# Allegro board reComputer J202_V1.0.brd
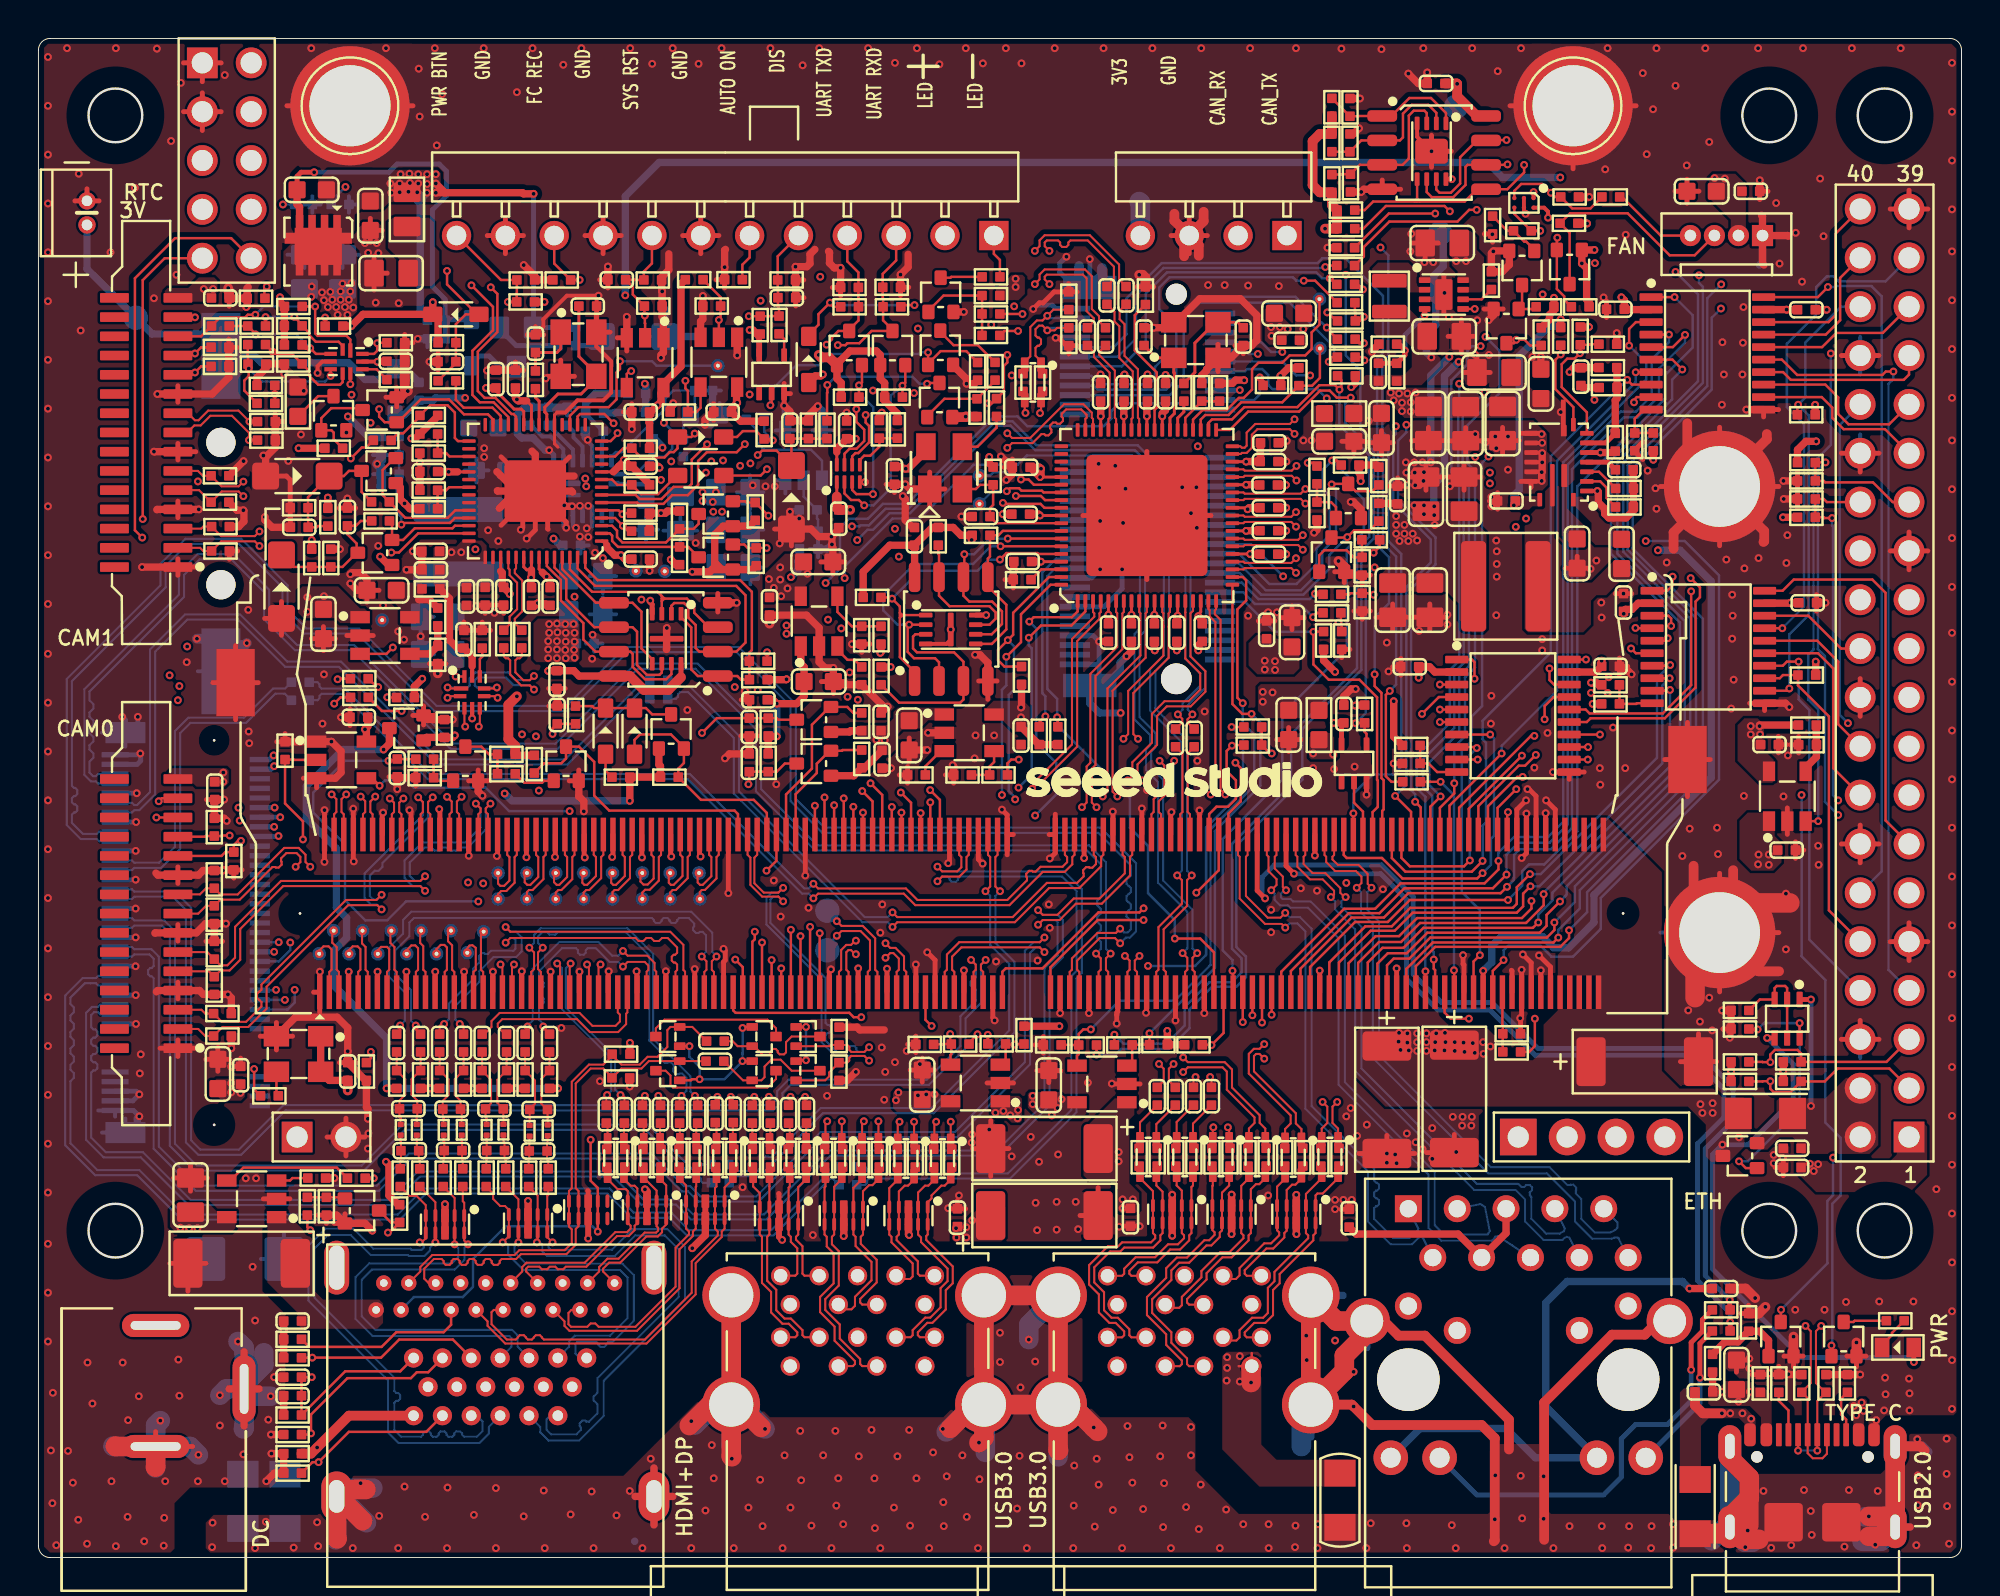
[diagram p0: board, top side]
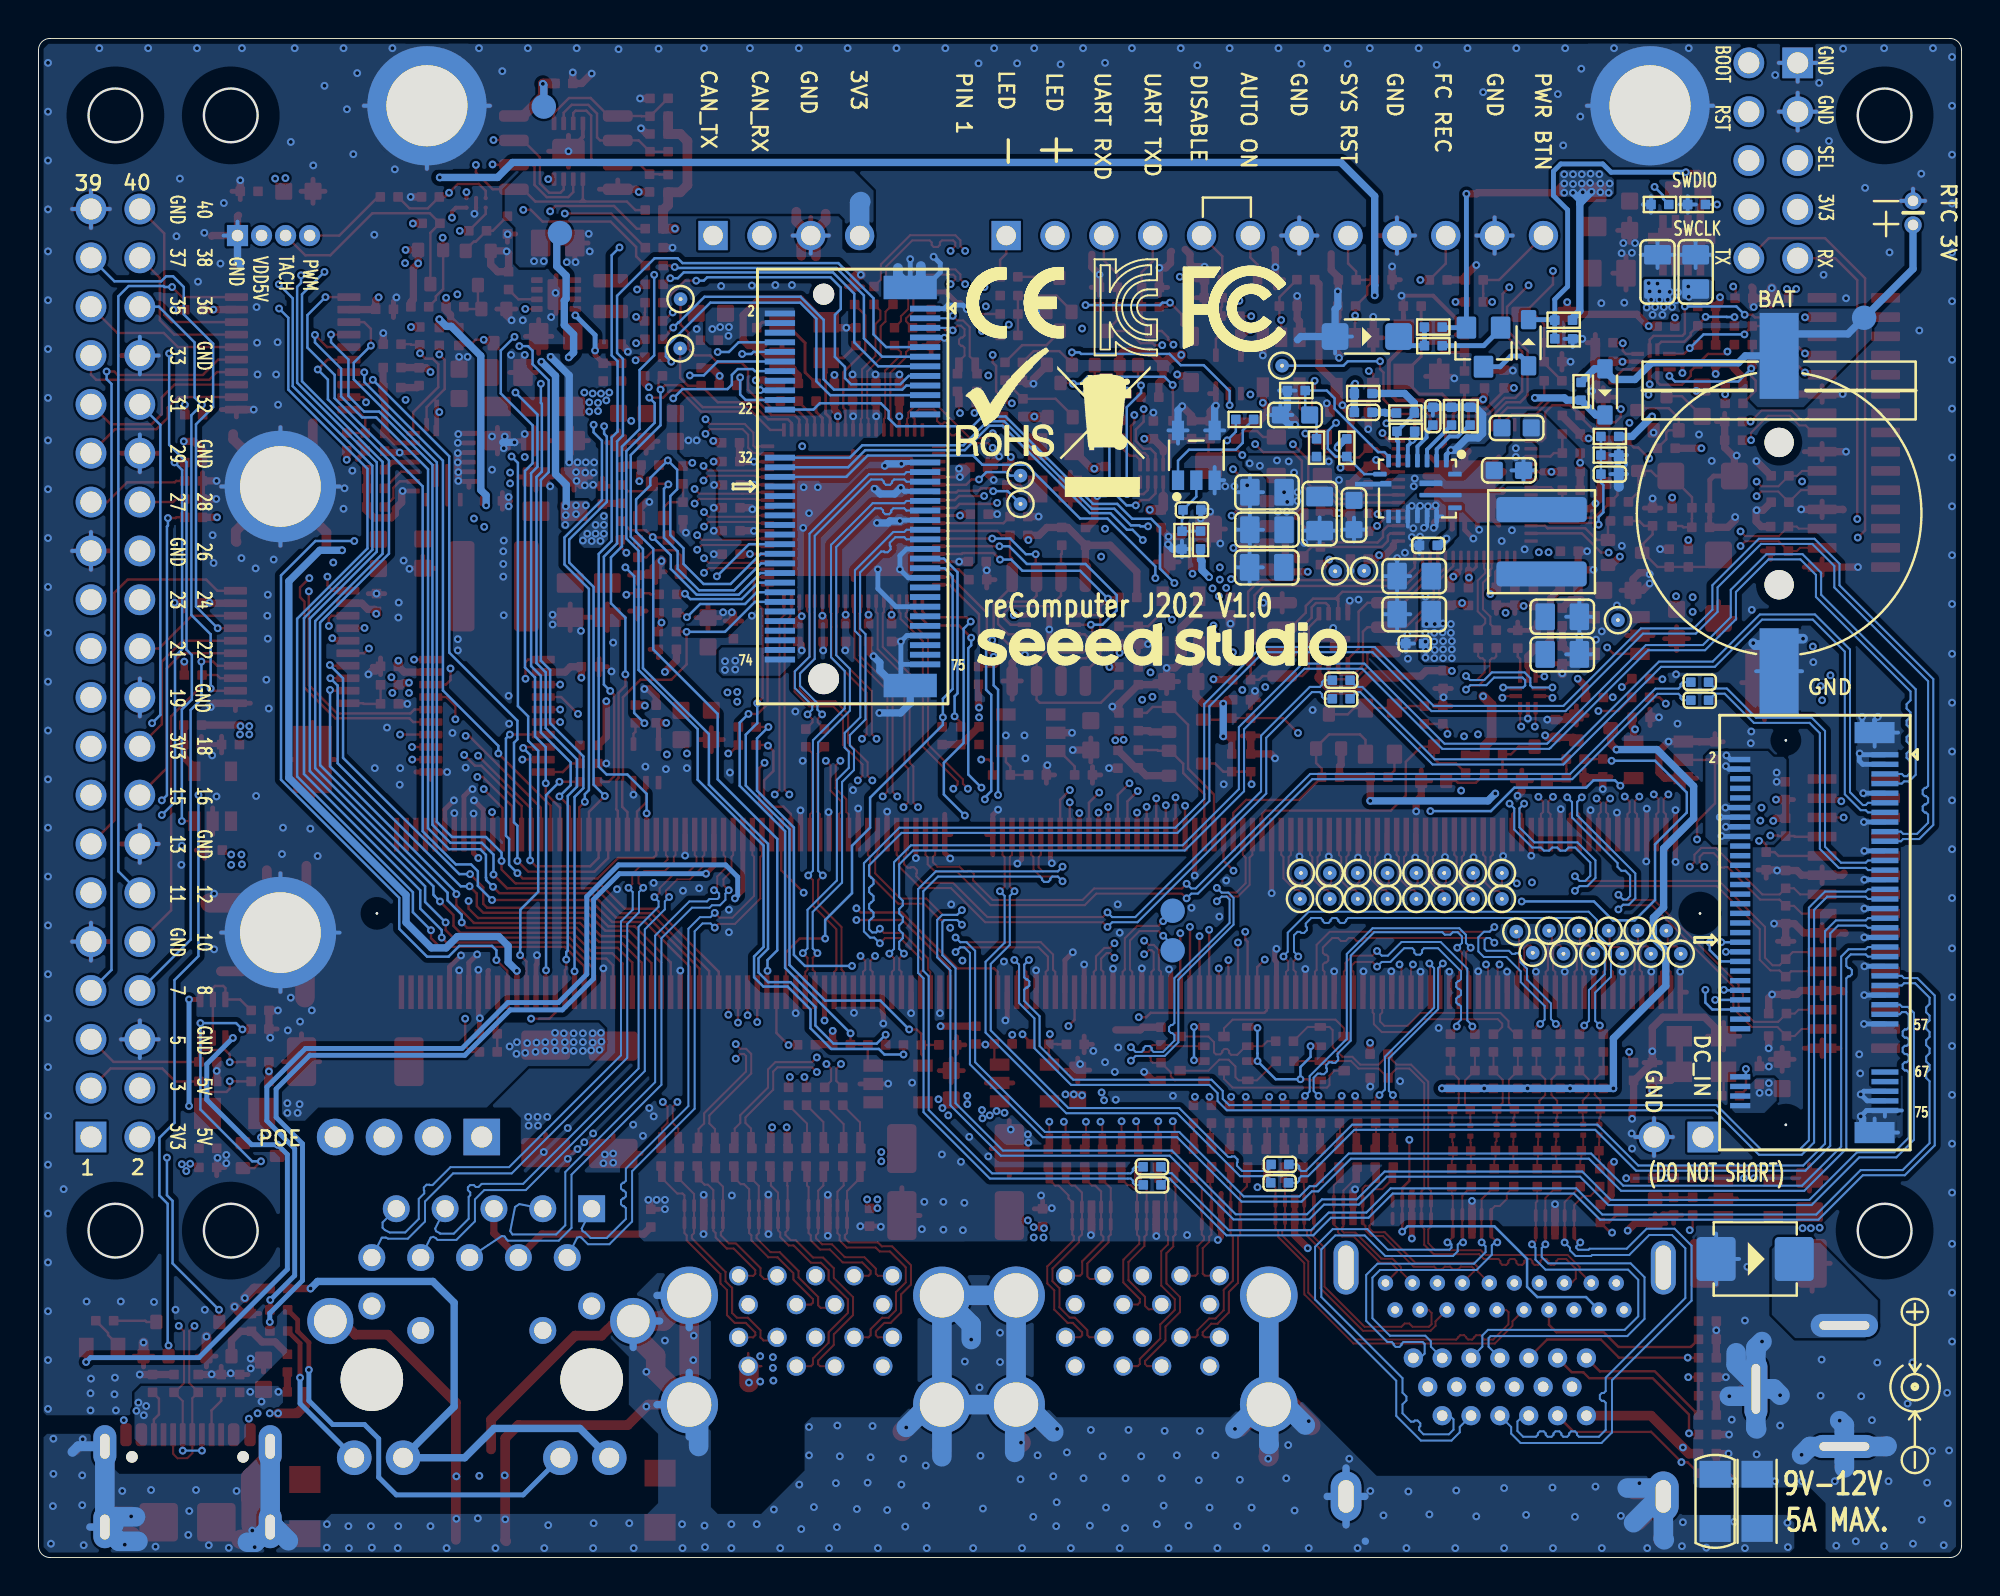
[diagram p1: board, bottom side, seen from below]

Outline 100 x 79 mm; copper layers: TOP, GND02, LAY3, LAY4, PWR05, BOTTOM. Coordinates in mm from the lower left corner of the outline.
Outline path: circle c4,75 r1.4 ; circle c4,17 r1.4 ; circle c90,75 r1.4 ; circle c90,17 r1.4 ; circle c96,75 r1.4 ; circle c96,17 r1.4 ; 0,78.4 0,0.6 arc(0.18,0.18) 0.6,0 99.4,0 arc(99.82,0.18) 100,0.6 100,78.4 arc(99.82,78.82) 99.4,79 0.6,79 arc(0.18,78.82) 0,78.4

## Design rules (mm)
constraint set DEFAULT: min track width 0.127
net group ADC0: nets ADC0 MCU_ADC0
net group CSI0_CLK_P: nets CSI0_CLK_N CSI0_CLK_P
net group CSI0_D0_P: nets CSI0_D0_N CSI0_D0_P
net group CSI0_D1_P: nets CSI0_D1_N CSI0_D1_P
net group CSI1_CLK_P: nets CSI1_CLK_N CSI1_CLK_P
net group CSI1_D0_P: nets CSI1_D0_N CSI1_D0_P
net group CSI2_D1_P: nets CSI2_D1_N CSI2_D1_P
net group CSI3_CLK_P: nets CSI3_CLK_N CSI3_CLK_P
net group CSI3_D0_P: nets CSI3_D0_N CSI3_D0_P
net group CSI3_D1_P: nets CSI3_D1_N CSI3_D1_P
net group DP0_AUX_P: nets DP0_AUX_N DP0_AUX_P
net group DP0_AUX_Q_P: nets DP0_AUX_Q_N DP0_AUX_Q_P
net group DP0_AUX_R_P: nets DP0_AUX_R_N DP0_AUX_R_P
net group DP0_TXD0_P: nets DP0_TXD0_N DP0_TXD0_P
net group DP0_TXD1_P: nets DP0_TXD1_N DP0_TXD1_P
net group DP0_TXD2_P: nets DP0_TXD2_N DP0_TXD2_P
net group DP_CON_AUXP: nets DP_CON_AUXN DP_CON_AUXP
net group DP_CON_LANE0_P: nets DP_CON_LANE0_N DP_CON_LANE0_P
net group DP_CON_LANE2_P: nets DP_CON_LANE2_N DP_CON_LANE2_P
net group DP_CON_LANE3_P: nets DP_CON_LANE3_N DP_CON_LANE3_P
net group DP_LANE0_P: nets DP_LANE0_N DP_LANE0_P
net group DP_LANE1_P: nets DP_LANE1_N DP_LANE1_P
net group DP_LANE2_P: nets DP_LANE2_N DP_LANE2_P
net group DP_LANE3_P: nets DP_LANE3_N DP_LANE3_P
net group GBE_LED_ACT: nets GBE_LED_ACT YELLOW_LED
net group GBE_LED_LINK: nets GBE_LED_LINK GREEN_LED
net group GBE_MDI0_P: nets GBE_MDI0_N GBE_MDI0_P
net group HDMI_TXC_CON_LC_P: nets HDMI_TXC_CON_LC_N HDMI_TXC_CON_LC_P
net group HDMI_TXC_CON_R_P: nets HDMI_TXC_CON_R_N HDMI_TXC_CON_R_P
net group HDMI_TXD0_CON_LC_P: nets HDMI_TXD0_CON_LC_N HDMI_TXD0_CON_LC_P
net group HDMI_TXD0_CON_P: nets HDMI_TXD0_CON_N HDMI_TXD0_CON_P
net group HDMI_TXD0_CON_R_P: nets HDMI_TXD0_CON_R_N HDMI_TXD0_CON_R_P
net group HDMI_TXD1_CON_LC_P: nets HDMI_TXD1_CON_LC_N HDMI_TXD1_CON_LC_P
net group HDMI_TXD1_CON_R_P: nets HDMI_TXD1_CON_R_N HDMI_TXD1_CON_R_P
net group HDMI_TXD1_P: nets HDMI_TX1_N HDMI_TX1_P
net group HDMI_TXD2_CON_LC_P: nets HDMI_TXD2_CON_LC_N HDMI_TXD2_CON_LC_P
net group HDMI_TXD2_CON_P: nets HDMI_TXD2_CON_N HDMI_TXD2_CON_P
net group HDMI_TXD2_CON_R_P: nets HDMI_TXD2_CON_R_N HDMI_TXD2_CON_R_P
net group HDMI_TXD2_P: nets HDMI_TX2_N HDMI_TX2_P
net group HUB_HSD2_P: nets HUB_HSD2_N HUB_HSD2_P
net group HUB_HSD3_P: nets HUB_HSD3_N HUB_HSD3_P
net group HUB_HSD4_P: nets HUB_HSD4_N HUB_HSD4_P
net group HUB_SSRX1_P: nets HUB_SSRX1_N HUB_SSRX1_P
net group HUB_SSRX2_P: nets HUB_SSRX2_N HUB_SSRX2_P
net group HUB_SSRX3_P: nets HUB_SSRX3_N HUB_SSRX3_P
net group HUB_SSRX4_P: nets HUB_SSRX4_N HUB_SSRX4_P
net group HUB_SSTX1_C_P: nets HUB_SSTX1_C_N HUB_SSTX1_C_P
net group HUB_SSTX1_P: nets HUB_SSTX1_N HUB_SSTX1_P
net group HUB_SSTX2_C_P: nets HUB_SSTX2_C_N HUB_SSTX2_C_P
net group HUB_SSTX2_P: nets HUB_SSTX2_N HUB_SSTX2_P
net group HUB_SSTX3_C_P: nets HUB_SSTX3_C_N HUB_SSTX3_C_P
net group HUB_SSTX4_C_P: nets HUB_SSTX4_C_N HUB_SSTX4_C_P
net group HUB_SSTX4_P: nets HUB_SSTX4_N HUB_SSTX4_P
net group HUB_USB4_DP_1: nets USB_DM USB_DP
net group M2_USB2_AP_P: nets M2_USB2_AP_N M2_USB2_AP_P
net group MCU_USB_DP: nets MCU_USB_DN MCU_USB_DP
net group N25927437: nets N25927437 N25927478
net group PC_LED-: nets N25946676 PC_LED-
net group PCIE0_RX0_M2_P: nets PCIE0_RX0_N PCIE0_RX0_P
net group PCIE0_TX0_P: nets PCIE0_TX0_N PCIE0_TX0_P
net group PCIE0_TX1_M2_P: nets PCIE0_TX1_M2_N PCIE0_TX1_M2_P
net group PCIE0_TX2_M2_P: nets PCIE0_TX2_M2_N PCIE0_TX2_M2_P
net group PCIE0_TX3_M2_P: nets PCIE0_TX3_M2_N PCIE0_TX3_M2_P
net group PCIE1_RX0_P: nets PCIE1_RX0_N PCIE1_RX0_P
net group PCIE1_TX0_P: nets PCIE1_TX0_N PCIE1_TX0_P
net group RP2040_XOUT: nets N26055734 RP2040_XOUT
net group TYPE C_USB_DP: nets TYPE C_USB_DN TYPE C_USB_DP
net group USB0_AP_P: nets USB0_AP_N USB0_AP_P
net group USB1_A_P: nets USB1_A_N USB1_A_P
net group USB1_B_P: nets USB1_B_N USB1_B_P
net group USB2_AP_P: nets USB2_AP_N USB2_AP_P
net group USBSS_RX_A_CON1_P: nets USBSS_RX_A_CON1_N USBSS_RX_A_CON1_P
net group USBSS_RX_A_CON2_P: nets USBSS_RX_A_CON2_N USBSS_RX_A_CON2_P
net group USBSS_RX_B_CON1_P: nets USBSS_RX_B_CON1_N USBSS_RX_B_CON1_P
net group USBSS_RX_B_CON2_P: nets USBSS_RX_B_CON2_N USBSS_RX_B_CON2_P
net group USBSS_RX_HUB_P: nets USBSS_RX_HUB_N USBSS_RX_HUB_P
net group USBSS_TX_A_CON1_P: nets USBSS_TX_A_CON1_N USBSS_TX_A_CON1_P
net group USBSS_TX_A_CON2_P: nets USBSS_TX_A_CON2_N USBSS_TX_A_CON2_P
net group USBSS_TX_B_CON1_P: nets USBSS_TX_B_CON1_N USBSS_TX_B_CON1_P
net group USBSS_TX_B_CON2_P: nets USBSS_TX_B_CON2_N USBSS_TX_B_CON2_P
net group USBSS_TX_HUB_P: nets USBSS_TX_HUB_N USBSS_TX_HUB_P
net group BBAT: nets BBAT
net group HDMI_CEC_Q: nets HDMI_CEC_Q
net group N25912244: nets N25912244
net group UART2_RXD_LS: nets N25979746 UART2_RXD_LS UART2_TXD_LS
nets with their own width: min track width 0.152; nets VDD_3V3_SYS VDD_5V_SYS

## Placement (name value [footprint] x y rotation side)
C1  1nF  [C1206]  67.68 2.98 270 top
C2  100pF  [C0402]  13.22 8.41 180 top
C3  100nF  [C0402]  86.6 8.61 180 top
C4  12pF  [C0402]  13.22 9.38 180 top
C5  4.7uF  [C0603]  88.3 9.5 90 top
C6  100nF  [C0402]  13.22 12.3 180 top
C7  100nF  [C0402]  87.5 13.99 0 top
C8  330uF  [AVX_C]  10.56 15.3 180 top
C9  10nF  [C0402]  68.16 17.65 90 top
C10  100nF  [C0402]  47.79 17.67 90 top
C11  100nF  [C0402]  56.78 17.7 270 top
C12  330uF  [AVX_C]  52.31 17.79 0 top
C13  22uF  [C0805]  7.91 18.85 90 top
C14  100nF  [C0402]  91.19 20.29 180 top
C15  0.7pF  [C0402]  25.98 21.14 0 top
C16  0.7pF  [C0402]  19.31 21.16 0 top
C17  0.7pF  [C0402]  21.56 21.16 180 top
C18  0.7pF  [C0402]  23.77 21.17 180 top
C19  330uF  [AVX_C]  52.31 21.27 180 top
C20  100nF  [C0402]  91.19 21.28 180 top
C21  100nF  [C0402]  29.53 23.06 270 top
C22  100nF  [C0402]  30.47 23.06 270 top
C23  100nF  [C0402]  31.41 23.06 270 top
C24  100nF  [C0402]  32.35 23.06 270 top
C25  100nF  [C0402]  33.34 23.06 270 top
C26  100nF  [C0402]  34.28 23.06 270 top
C27  100nF  [C0402]  37.12 23.06 270 top
C28  100nF  [C0402]  38.06 23.06 270 top
C29  100nF  [C0402]  39.01 23.06 270 top
C30  100nF  [C0402]  39.94 23.06 270 top
C31  100nF  [C0402]  35.19 23.08 270 top
C32  100nF  [C0402]  36.13 23.08 270 top
C33  0.7pF  [C0402]  26.01 23.3 0 top
C34  0.7pF  [C0402]  21.49 23.32 180 top
C35  0.7pF  [C0402]  23.71 23.33 180 top
C36  0.7pF  [C0402]  19.24 23.34 0 top
C37  330uF  [AVX_C]  70.12 23.81 270 top
C38  330uF  [AVX_C]  73.62 23.85 270 top
C39  100nF  [C0402]  58.18 23.99 270 top
C40  100nF  [C0402]  59.12 23.99 270 top
C41  100nF  [C0402]  60.06 23.99 270 top
C42  100nF  [C0402]  61 23.99 270 top
C43  4.7uF  [C0603]  52.54 24.56 90 top
C44  4.7uF  [C0603]  45.96 24.59 90 top
C45  100nF  [C0402]  10.52 25.08 90 top
C46  10uF  [C0603]  9.33 25.15 90 top
C47  100nF  [C0402]  16.08 25.28 90 top
C48  330uF  [AVX_C]  83.53 25.79 0 top
C49  100nF  [C0402]  35.18 25.81 180 top
C50  100nF  [C0402]  18.63 26.76 270 top
C51  100nF  [C0402]  19.87 26.76 270 top
C52  100nF  [C0402]  20.86 26.76 270 top
C53  100nF  [C0402]  22.11 26.76 270 top
C54  100nF  [C0402]  23.07 26.76 270 top
C55  100nF  [C0402]  24.34 26.76 270 top
C56  100nF  [C0402]  25.31 26.76 270 top
C57  100nF  [C0402]  26.58 26.76 270 top
C58  100nF  [C0402]  35.2 26.85 180 top
C59  1uF  [C0402]  90.9 36.79 0 top
C60  100nF  [C0402]  9.17 39.88 270 top
C61  12pF  [C0402]  18.66 41.07 270 top
C62  4.7pF  [C0402]  36.96 41.33 90 top
C63  100nF  [C0402]  43.87 41.52 270 top
C64  1uF  [C0402]  90.01 42.28 0 top
C65  100nF  [C0402]  59.13 42.62 270 top
C66  100nF  [C0402]  60.1 42.62 270 top
C67  100nF  [C0402]  51.1 42.74 270 top
C68  4.7uF  [C0603]  45.28 42.76 270 top
C69  4.7pF  [C0402]  36.96 43.19 270 top
C70  10uF  [C0603]  65.01 43.3 270 top
C71  100nF  [C0402]  43.81 43.46 90 top
C72  100nF  [C0402]  16.66 43.7 180 top
C73  12pF  [C0402]  26.97 43.82 90 top
C74  100nF  [C0402]  67.88 43.87 270 top
C75  100nF  [C0402]  37.44 44.61 180 top
C76  10uF  [C0603]  40.57 45.55 0 top
C77  100nF  [C0402]  71.31 46.32 0 top
C78  100nF  [C0402]  81.75 46.35 0 top
C79  100nF  [C0402]  26.96 45.66 270 top
C80  100nF  [C0402]  22.12 47.76 90 top
C81  100nF  [C0402]  55.64 48.1 270 top
C82  100nF  [C0402]  56.83 48.1 270 top
C83  100nF  [C0402]  58.03 48.1 270 top
C84  100nF  [C0402]  59.2 48.1 270 top
C85  100nF  [C0402]  60.52 48.1 270 top
C86  10uF  [C0603]  65.18 48.12 90 top
C87  100nF  [C0402]  63.86 48.25 90 top
C88  10uF  [C0603]  14.82 48.55 270 top
C89  100nF  [C0402]  38.02 49.47 270 top
C90  100nF  [C0402]  82.42 49.67 270 top
C91  100nF  [C0402]  92 49.65 0 top
C92  22uF  [C0805]  70.42 49.79 270 top
C93  22uF  [C0805]  72.35 49.79 270 top
C94  100nF  [C0402]  22.26 49.98 270 top
C95  100nF  [C0402]  25.64 49.98 270 top
C96  100nF  [C0402]  26.6 49.98 270 top
C97  1uF  [C0402]  23.23 49.99 270 top
C98  1uF  [C0402]  24.19 49.99 270 top
C99  10uF  [C0603]  17.85 50.3 180 top
C100  1uF  [C0402]  20.41 51.37 180 top
C101  10uF  [C0603]  40.55 51.78 0 top
C102  100nF  [C0402]  51.18 51.8 180 top
C103  100nF  [C0402]  63.98 52.18 0 top
C104  100nF  [C0603]  82.32 52.19 270 top
C105  100nF  [C0603]  80.01 52.21 270 top
C106  100nF  [C0402]  20.4 52.33 180 top
C107  100nF  [C0402]  31.32 51.92 0 top
C108  100nF  [C0402]  45.55 53.11 90 top
C109  100nF  [C0402]  63.98 53.4 0 top
C110  100pF  [C0402]  13.56 53.58 180 top
C111  100nF  [C0402]  41.62 54.02 90 top
C112  100pF  [C0402]  16.07 54.12 90 top
C113  1uF  [C0402]  49.02 54.14 180 top
C114  10nF  [C0402]  51.08 54.26 180 top
C115  100nF  [C0402]  63.98 54.59 0 top
C116  100nF  [C0402]  70.68 55.25 90 top
C117  22uF  [C0805]  72.15 55.3 90 top
C118  22uF  [C0805]  74.13 55.3 90 top
C119  1uF  [C0402]  76.34 54.95 180 top
C120  100nF  [C0402]  63.97 55.78 0 top
C121  100nF  [C0402]  44.51 56.28 270 top
C122  100nF  [C0402]  20.3 56.47 180 top
C123  220nF  [C0402]  82.46 56.57 0 top
C124  100nF  [C0402]  51.1 56.7 180 top
C125  100nF  [C0402]  31.32 56.75 0 top
C126  100nF  [C0402]  63.99 57 0 top
C127  10nF  [C0402]  64.01 57.97 0 top
C128  10uF  [C0603]  67.64 58.05 0 top
C129  100nF  [C0402]  42.03 58.64 90 top
C130  10nF  [C0402]  39.07 58.65 90 top
C131  10uF  [C0603]  69.84 58.74 270 top
C132  22uF  [C0805]  74.21 58.96 270 top
C133  100nF  [C0603]  78.13 61.04 90 top
C134  22uF  [C0805]  72.28 58.97 270 top
C135  100nF  [C0402]  31.32 59.57 180 top
C136  100nF  [C0402]  35.58 59.57 180 top
C137  10nF  [C0402]  55.23 60.6 90 top
C138  100nF  [C0402]  56.45 60.6 90 top
C139  100nF  [C0402]  57.67 60.6 90 top
C140  100nF  [C0402]  58.61 60.6 90 top
C141  22pF  [C0402]  69.68 61.65 90 top
C142  100nF  [C0402]  24.8 61.28 90 top
C143  100nF  [C0402]  23.79 61.29 90 top
C144  220pF  [C0402]  80.21 61.41 90 top
C145  1uF  [C0402]  21.24 62.19 180 top
C146  100nF  [C0402]  18.58 62.21 0 top
C147  12pF  [C0402]  25.85 63.13 90 top
C148  22uF  [C0805]  73.1 63.51 0 top
C149  100nF  [C0402]  65.11 63.31 0 top
C150  100nF  [C0402]  54.55 63.49 270 top
C151  100nF  [C0402]  55.49 63.49 270 top
C152  18pF  [C0402]  57.49 63.49 90 top
C153  18pF  [C0402]  62.65 63.49 270 top
C154  10uF  [C0603]  65.03 64.71 0 top
C155  100nF  [C0402]  91.93 64.89 0 top
C156  100nF  [C0402]  82 64.92 0 top
C157  12pF  [C0402]  28.56 65.08 0 top
C158  100nF  [C0402]  9.46 65.5 0 top
C159  100nF  [C0402]  38.92 65.52 0 top
C160  100nF  [C0402]  55.56 65.64 270 top
C161  100nF  [C0402]  56.55 65.64 270 top
C162  10nF  [C0402]  30.07 66.45 180 top
C163  4.7uF  [C0805]  18.34 66.79 180 top
C164  22uF  [C0805]  73 68.36 180 top
C165  100nF  [C0603]  17.26 69.78 270 top
C166  100nF  [C0402]  89.04 71.05 0 top
C167  1uF  [C0603]  14.21 71.13 180 top
C168  100nF  [C0402]  72.68 76.66 180 top
C169  1nF  [C1206]  12.82 2.92 270 bottom
C170  220nF  [C0402]  42.09 19.38 0 bottom
C171  220nF  [C0402]  35.46 19.49 0 bottom
C172  220nF  [C0402]  42.1 20.32 0 bottom
C173  220nF  [C0402]  35.44 20.45 0 bottom
C174  220nF  [C0402]  13.62 44.58 0 bottom
C175  220nF  [C0402]  32.26 44.66 0 bottom
C176  220nF  [C0402]  13.62 45.52 0 bottom
C177  220nF  [C0402]  32.26 45.62 0 bottom
C178  22uF  [C0805]  20.76 46.97 180 bottom
C179  100nF  [C0402]  28.44 47.53 0 bottom
C180  22uF  [C0805]  20.76 48.93 180 bottom
C181  22uF  [C0805]  28.46 49.06 0 bottom
C182  22uF  [C0805]  28.46 51.04 0 bottom
C183  1uF  [C0402]  27.73 52.64 0 bottom
C184  100nF  [C0603]  31.59 54.22 270 bottom
C185  22uF  [C0805]  36.12 55.4 0 bottom
C186  22uF  [C0805]  33.38 54.29 270 bottom
C187  10nF  [C0402]  40.02 54.48 180 bottom
C188  100nF  [C0603]  23.54 56.54 180 bottom
C189  100nF  [C0603]  23.14 58.75 180 bottom
C190  220nF  [C0402]  27.49 59.36 90 bottom
C191  1uF  [C0603]  34.66 59.42 0 bottom
C192  220pF  [C0402]  31.11 59.55 0 bottom
C193  10uF  [C0603]  86.49 71.05 180 top
C194  22uF  [C0805]  15.81 66.86 90 bottom
C195  22uF  [C0805]  13.83 66.86 90 bottom
C196  22uF  [C0805]  36.13 51.49 0 bottom
C197  22uF  [C0805]  36.12 53.45 0 bottom
C198  22uF  [C0805]  75.69 61.63 180 top
C199  22uF  [C0805]  76.13 58.97 270 top
C200  100pF  [C0402]  18.29 56.34 180 bottom
D1  ESDPSA0402V05  [D0402]  13.22 4.39 0 top
D2  TPD1E10B06DPYR  [D0402]  13.22 5.4 0 top
D3  ESDPSA0402V05  [D0402]  13.22 6.4 0 top
D4  TPD1E10B06DPYR  [D0402]  13.22 7.41 0 top
D5  TPD1E10B06DPYR  [D0402]  89.53 9.05 270 top
D6  ESDPSA0402V05  [D0402]  91.69 9.05 270 top
D7  ESDPSA0402V05  [D0402]  92.95 9.05 270 top
D8  TPD1E10B06DPYR  [D0402]  13.22 10.39 0 top
D9  ESDPSA0402V05  [D0402]  91.19 24.76 0 top
D10  ESDPSA0402V05  [D0402]  91.19 25.78 0 top
D11  TPD1E10B06DPYR  [D0402]  76.61 27.24 180 top
D12  ESDPSA0402V05  [D0402]  9.57 27.12 180 top
D13  ESDPSA0402V05  [D0402]  9.57 28.29 180 top
D14  ESDPSA0402V05  [D0402]  9.14 29.75 90 top
D15  ESDPSA0402V05  [D0402]  9.14 31.58 270 top
D16  ESDPSA0402V05  [D0402]  9.14 33.43 90 top
D17  ESDPSA0402V05  [D0402]  9.14 35.27 270 top
D18  ESDPSA0402V05  [D0402]  10.16 36.22 90 top
D19  ESDPSA0402V05  [D0402]  9.14 37.98 270 top
D20  PMEG3010CEJ  [SOD_323]  29.49 42.98 90 top
D21  PMEG3010CEJ  [SOD_323]  31 42.98 90 top
D22  ESDPSA0402V05  [D0402]  67.77 47.69 90 top
D23  3.3V  [SOD_123]  12.64 50.49 90 top
D24  ESDPSA0402V05  [D0402]  68.83 49.69 90 top
D25  ESDPSA0402V05  [D0402]  9.47 52.34 180 top
D26  ESDPSA0402V05  [D0402]  9.47 53.61 180 top
D27  ESDPSA0402V05  [D0402]  9.44 54.88 180 top
D28  ESDPSA0402V05  [D0402]  91.93 55.05 0 top
D29  3.3V  [SOD_123]  39.16 55.14 90 top
D30  ESDPSA0402V05  [D0402]  91.93 55.99 0 top
D31  ESDPSA0402V05  [D0402]  9.44 56.26 180 top
D32  PMEG3010CEJ  [SOD_323]  34.44 56.27 0 top
D33  3.3V  [SOD_123]  13.46 56.24 0 top
D34  PMEG3010CEJ  [SOD_323]  34.43 58.27 0 top
D35  ESDPSA0402V05  [D0402]  11.85 58.11 180 top
D36  ESDPSA0402V05  [D0402]  11.85 59.08 180 top
D37  ESDPSA0402V05  [D0402]  9.44 61.95 180 top
D38  PMEG3010CEJ  [SOD_323]  40.06 62.31 90 top
D39  ESDPSA0402V05  [D0402]  9.44 62.94 180 top
D40  ESDPSA0402V05  [D0402]  53.58 63.48 90 top
D41  PMEG3010CEJ  [SOD_323]  21.71 64.65 180 top
D42  ESDPSA0402V05  [D0402]  53.58 65.36 270 top
D43  TPD1E10B06DPYR  [D0402]  11.32 65.49 0 top
D44  TPD1E10B06DPYR  [D0402]  42.17 66.05 0 top
D45  TPD1E10B06DPYR  [D0402]  44.36 66.06 180 top
D46  TPD1E10B06DPYR  [D0402]  25.34 66.44 180 top
D47  TPD1E10B06DPYR  [D0402]  27.21 66.44 0 top
D48  TPD1E10B06DPYR  [D0402]  31.94 66.44 180 top
D49  TPD1E10B06DPYR  [D0402]  38.9 66.44 180 top
D50  SMBJ24CA  [DO_214AA_SMB]  10.73 15.53 180 bottom
D51  PMEG3010CEJ  [SOD_323]  18.54 60.62 270 bottom
D52  PMEG3010CEJ  [SOD_323]  22.52 63.18 90 bottom
D53  MMSZ5245BT1G  [SOD_123]  30.92 63.5 180 bottom
D54  TPD1E10B06DPYR  [D0402]  15.68 70.37 180 bottom
D55  TPD1E10B06DPYR  [D0402]  13.78 70.37 180 bottom
FB1  120R  [L0402]  76.61 26.29 0 top
FB2  120R  [L0603]  66.59 43.29 90 top
FB3  120R  [L0402]  20.41 50.37 0 top
FB4  120R  [L0603]  67.64 59.49 180 top
FB5  120R  [L0402]  21.24 61.19 0 top
J1  USB2.0 Type C  [USB2_0_TYPE_C_LONG]  92.25 6.34 90 top
J2  DC630-20D01  [CONN3-PWR-DC630]  5.99 12.07 270 top
J3  UAA111C-84161-4H  [USB3_1_2D0_17_5X13_6X15_69MM]  59.59 7.95 0 top
J4  UAA111C-84161-4H  [USB3_1_2D0_17_5X13_6X15_69MM]  42.59 7.96 0 top
J5  A132110S1-10  [HDMI_DP_39P_18D05X18D1X19D3MM]  23.76 2.08 0 top
J6  LPJG0926HENL  [RJ45_20P_LPJG0926HENL]  76.95 9.25 0 top
J7  Header 1x2 2.54mm  [HEADER2P_2D54_DIP]  14.72 21.87 90 top
J8  Header 1x4 2.54mm  [HEADER4P_2D54_DIP]  80.76 21.87 90 top
J9  YL002-007  [HEADER2X15P_1D0_SMD_YL002]  5.6 33.49 180 top
J10  Header 2x20 2.54mm  [HEADER2X20P_2D54_DIP]  96 46 180 top
J11  ASAA821-EASB0-7H  [CON_SODIMM_260_SMT_0D5_SD_80888_600_C]  48 33.6 180 top
J12  YL002-007  [HEADER2X15P_1D0_SMD_YL002]  5.6 58.51 180 top
J13  4P 1.25mm  [JST4P_1D25_6_75X3_2X4_7MM]  87.78 68.75 180 top
J14  Header 1x2 1.25mm  [HEADER2P_1D25_DIP]  2.52 69.93 90 top
J15  ST-PH-254-0091-1*12A  [SIP12_RA]  35.71 68.75 270 top
J16  Header 1x4 2.54mm  [SIP4_RA]  61.11 68.75 270 top
J17  Header 2x5 2.54  [HEADER2X5P_2D54_1_DIP]  9.79 72.65 0 top
J18  2E0BC26-F20BM-7H  [CON_MINIPEX_075_SMT_RA_M2_KEYM]  7.8 32.5 270 bottom
J19  CR1220  [BAT-CR1220]  9.49 54.29 0 bottom
J20  AS0BC26-S20BE-7H  [CON_MINIPEX_067_SMT_RA_M2_KEYE_C]  57.53 55.7 270 bottom
L1  90R  [L2012]  45.11 20.75 270 top
L2  90R  [L2012]  47.01 20.75 270 top
L3  90R  [L2012]  30.02 20.78 270 top
L4  90R  [L2012]  31.9 20.78 270 top
L5  90R  [L2012]  33.78 20.78 270 top
L6  90R  [L2012]  35.68 20.78 270 top
L7  90R  [L2012]  37.59 20.78 270 top
L8  90R  [L2012]  39.49 20.78 270 top
L9  90R  [L2012]  41.35 20.78 270 top
L10  90R  [L2012]  43.25 20.78 270 top
L11  90R  [L2012]  65.25 20.8 270 top
L12  90R  [L2012]  57.71 20.83 270 top
L13  90R  [L2012]  59.61 20.83 270 top
L14  90R  [L2012]  61.49 20.83 270 top
L15  90R  [L2012]  63.37 20.83 270 top
L16  90R  [L2012]  67.15 20.83 270 top
L17  4nH  [L0201]  25.54 22.19 270 top
L18  4nH  [L0201]  26.48 22.22 270 top
L19  4nH  [L0201]  18.84 22.24 270 top
L20  4nH  [L0201]  19.67 22.24 270 top
L21  4nH  [L0201]  21.07 22.24 270 top
L22  4nH  [L0201]  22.01 22.24 270 top
L23  4nH  [L0201]  23.31 22.24 270 top
L24  4nH  [L0201]  24.18 22.25 270 top
L25  1nH  [L0402]  27.93 43.82 270 top
L26  1.2uH  [L2P_3D35_5_55X5_35X3MM]  76.3 50.51 180 top
L27  90R  [L2012]  51.71 61.11 270 top
L28  1uH  [L2016]  70.25 65.6 270 top
L29  1.2uH  [L2P_3D35_5_55X5_35X3MM]  21.84 52.83 270 bottom
LED1  Green  [LED0603]  96.69 10.92 180 top
MH1  SMTSO2565CTJ  [PTH_4_22MM_6D2_PASTE]  16.2 75.5 0 top
MH2  SMTSO2565CTJ  [PTH_4_22MM_6D2_PASTE]  79.8 75.5 0 top
MH3  SMTSO3003CTJ  [PTH_4_2MM_5D8]  87.42 32.5 180 bottom
MH4  SMTSO3003CTJ  [PTH_4_2MM_5D8]  87.42 55.7 180 bottom